# Altium PCB Stabilizer.PCBDOC (part 2 of 8)
Units mil, origin at the board's own origin, x right, y up, seen from the top; angles counter-clockwise.
Board outline 6397 x 3937 mil, 4 copper layers (Top, GP1(GND), L3, Bot), stack 64.883 mil thick; 687 components, 419 nets, 2137 pads, 1042 vias.
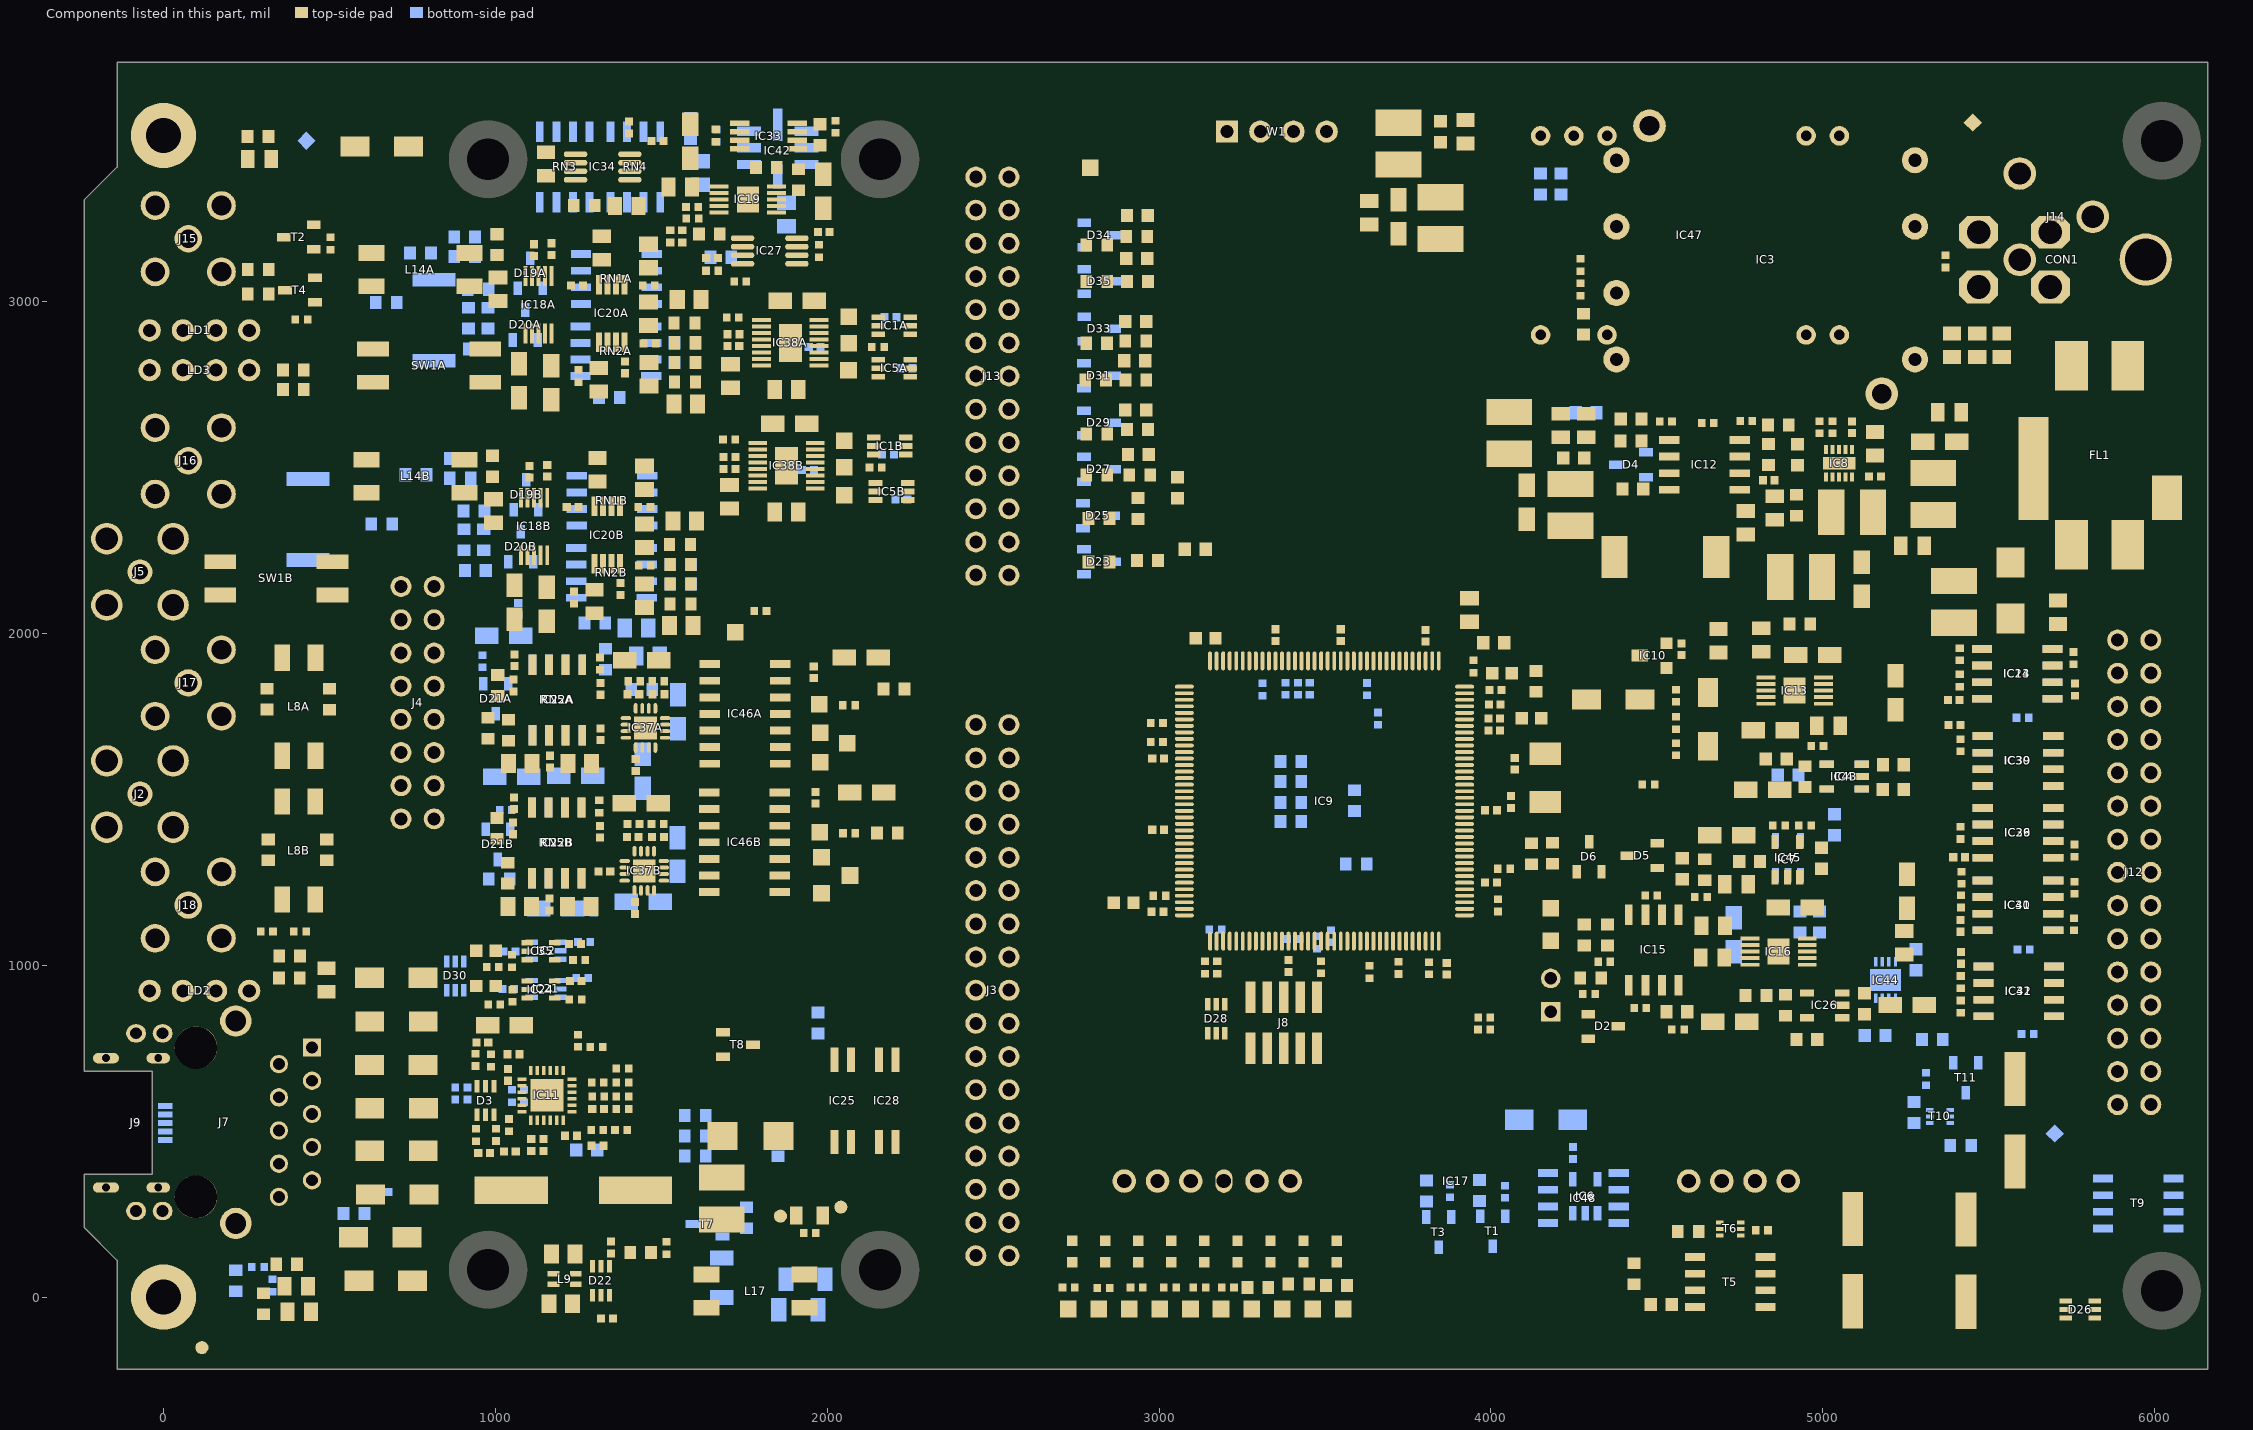
[diagram p4: the components of this part, seen from the top]

## Components (designator, comment, footprint, x,y, rotation, side; value= is the part's Value field where it differs from the comment) (continued)
R201 "51" RESC1005X40N 1049.98,1012.81 r90 top
R202 "10k" RESC1005X40N 311.52,1101.14 r180 top
R203 "10k" RESC1005X40N 1261.85,961.74 r0 bottom
R204 "51k" RESC1005X40N 4558,1729.98 r270 top
R205 "24k" RESC1608X55N 4921,2386 r270 top
R206 "120k" RESC1608X55N 4836,2539 r270 top
R207 "49R9" RESC1005X40N 3947.81,1900.08 r270 top
R208 "8k2" RESC1005X40N 4769.12,2639.2 r180 top
R209 "100" RESC1005X40N 1241.23,897.04 r0 top
R210 "100k" RESC1608X55N 4931.64,1130 r90 bottom
R211 "100k" RESC1608X55N 4989.92,1130 r90 bottom
R212 "100" RESC1005X40N 659.77,317 r180 bottom
R213 "100" RESC1005X40N 285,91.14 r180 bottom
R214 "10k" RESC1005X40N 1267.48,1069.35 r0 bottom
R215 "10k" RESC1005X40N 411.42,1101.38 r0 top
R216 "100" RESC1005X40N 1252.49,1015.87 r0 top
R217A "10k" RESC1005X40N 2065.76,1783.4 r180 top (schematic designator R217)
R217B "10k" RESC1005X40N 2065.96,1397.62 r180 top (schematic designator R217)
R218 "10k" RESC1005X40N 1798.5,2066.76 r0 top
R219 "0" RESC1005X40N 1666.04,3499.14 r90 bottom
R220 "33" RESC1005X40N 897.46,595 r180 bottom
R221 "33" RESC1005X40N 1050.62,605.76 r90 bottom
R222 "33" RESC1005X40N 1086.03,605.76 r90 bottom
R223 "0" RESC1005X40N 4295.58,912.76 r0 top
R224 "10k" RESC1005X40N 4341.39,1010.41 r0 top
R225 "1k" RESC1608X55N 4300.5,961.94 r0 top
R226 "Undefined" RESC1608X55N 4210.39,3353.87 r270 bottom
R227 "12k7" RESC1608X55N 4149.63,3353.87 r270 bottom
RN1A "10k 5K 5K 10K" SOIC127P600X175-8N 1364.61,3067.65 r0 bottom (schematic designator RN1)
RN1B "10k 5K 5K 10K" SOIC127P600X175-8N 1351.44,2399.75 r0 bottom (schematic designator RN1)
RN2A "10k 5K 5K 10K" SOIC127P600X175-8N 1363.14,2849.9 r0 bottom (schematic designator RN2)
RN2B "10k 5K 5K 10K" SOIC127P600X175-8N 1349.98,2181.99 r0 bottom (schematic designator RN2)
RN3 "10k 5K 5K 10K" SOIC127P600X175-8N 1208.89,3405.08 r90 bottom
RN4 "10k 5K 5K 10K" SOIC127P600X175-8N 1421.86,3405.08 r90 bottom
RN5A "10k 5K 5K 10K" SOIC127P600X175-8N 1186.85,1799.13 r270 bottom (schematic designator RN5)
RN5B "10k 5K 5K 10K" SOIC127P600X175-8N 1185.08,1368.51 r270 bottom (schematic designator RN5)
ST2 "SCHROFF_PANEL_3U_4HP-Stabilizer" "SCHROFF_PANEL_3HP_4U - STABILIZER" 0,0 r0 top
SW1A "Switch" SW_CTS_204-121ST 800.2,2806.79 r0 top (schematic designator SW1)
SW1B "Switch" SW_CTS_204-121ST 340.31,2165.65 r0 top (schematic designator SW1)
T1 "BSS138LT1G" SOT95P240X110-3N 4004.84,198 r270 bottom
T2 "BSS138LT1G" SOT95P240X110-3N 407.52,3194.14 r180 top
T3 "BSS138LT1G" SOT95P240X110-3N 3842.47,195.7 r270 bottom
T4 "BSS138LT1G" SOT95P240X110-3N 411.18,3034.35 r180 top
T5 "SI4425DDY-T1-GE3" SOIC127P600X175-8N 4720.94,45.4 r0 top
T6 "BC857BV" SOTFL50P160X60-6N 4720.94,205.27 r0 top
T7 "FDN86246" SOT95P237X112-3N 1639,219.73 r180 bottom
T8 "BSS138LT1G" SOT95P240X110-3N 1731.06,761 r0 top
T9 "SI4425DDY-T1-GE3" SOIC127P600X175-8N 5950.3,282 r0 bottom
T10 "BC857BV" SOTFL50P160X60-6N 5352.9,544.31 r0 bottom
T11 "BSS138LT1G" SOT95P240X110-3N 5430.64,660.72 r270 bottom
TP1A "Test Point" TPS127 2065,2874.17 r0 top (schematic designator TP1)
TP1B "Test Point" TPS127 2051.01,2500.8 r0 top (schematic designator TP1)
TP2A "Test Point" TPS127 2065,2954.45 r0 top (schematic designator TP2)
TP2B "Test Point" TPS127 2051.01,2580.52 r0 top (schematic designator TP2)
TP3A "Test Point" TPS127 2064.03,2793.19 r0 top (schematic designator TP3)
TP3B "Test Point" TPS127 2051.01,2416.15 r0 top (schematic designator TP3)
TP4A "Test Point" TPS127 2060.78,1668.73 r90 top (schematic designator TP4)
TP4B "Test Point" TPS127 2068.71,1270.39 r90 top (schematic designator TP4)
TP5A "Test Point" TPS127 1978.47,1700.16 r90 top (schematic designator TP5)
TP5B "Test Point" TPS127 1982.81,1324.73 r90 top (schematic designator TP5)
TP6 "Test Point" TPS127 4180,1073.89 r180 top
TP7 "Test Point" TPS127 2818.35,-36.02 r0 top
TP8 "Test Point" TPS127 3094.47,-36.02 r0 top
TP9 "Test Point" TPS127 2726.3,-36.02 r0 top
TP10 "Test Point" TPS127 3370.59,-36.02 r90 top
TP11 "Test Point" TPS127 3278.55,-36.02 r90 top
TP12 "Test Point" TPS127 3186.51,-36.02 r90 top
TP13 "Test Point" TPS127 3002.43,-36.02 r90 top
TP14 "Test Point" TPS127 4180,1172 r270 top
TP15 "Test Point" TPS127 3462.63,-36.02 r270 top
TP16 "Test Point" TPS127 2793,3403 r90 top
TP17 "Test Point" TPS127 3554.67,-36.02 r90 top
TP18A "Test Point" TPS127 1978.47,1611.77 r90 top (schematic designator TP18)
TP18B "Test Point" TPS127 1982.71,1216.86 r90 top (schematic designator TP18)
TP19A "Test Point" TPS127 1976.14,1786.54 r90 top (schematic designator TP19)
TP19B "Test Point" TPS127 1977.77,1401.03 r90 top (schematic designator TP19)
TP20 "Test Point" TPS127 1723.28,2003.18 r270 top
TP21 "Test Point" TPS127 2910.39,-36.02 r0 top
W1 "Header 4" SAMTEC_HTSW-104-23-L-S 3204.88,3511.77 r0 top
WASHER2 "custom 3D printed" Keystone_7687 -561.26,-372.67 r0 top
WASHER4 "custom 3D printed" Keystone_7687 -702.99,-372.67 r0 top
WASHER6 "custom 3D printed" Keystone_7687 -277.8,-372.67 r0 top
WASHER8 "custom 3D printed" Keystone_7687 -419.53,-372.67 r0 top

## Footprints (in the part's own frame and the unit in brackets; to place one, negate y for a bottom-side part, rotate by r counter-clockwise, add the part's x,y. Pads: shape width x height; smd on the part's side, far side on the other; paste and mask are expansions set on the pad)
3M_N2516-6002RB [mm] "16 Contacts - Straight .100\" x .100\" Low Profile Four-Wall Header"
  round 1.6 hole 1: 1(-8.89,-1.27) 2(-8.89,1.27) 3(-6.35,-1.27) 4(-6.35,1.27) 5(-3.81,-1.27) 6(-3.81,1.27) 7(-1.27,-1.27) 8(-1.27,1.27) 9(1.27,-1.27) 10(1.27,1.27) 11(3.81,-1.27) 12(3.81,1.27) 13(6.35,-1.27) 14(6.35,1.27) 15(8.89,-1.27) 16(8.89,1.27)
  silkscreen extent -13.82,-4.85 13.82,4.52, body extent -13.82,-4.17 13.82,4.52, height 9.65
3M_N2526-6002RB [mm] "26 Contacts - Straight .100\" x .100\" Low Profile Four-Wall Header"
  round 1.6 hole 1: 1(-15.24,-1.27) 2(-15.24,1.27) 3(-12.7,-1.27) 4(-12.7,1.27) 5(-10.16,-1.27) 6(-10.16,1.27) 7(-7.62,-1.27) 8(-7.62,1.27) 9(-5.08,-1.27) 10(-5.08,1.27) 11(-2.54,-1.27) 12(-2.54,1.27) 13(0,-1.27) 14(0,1.27) 15(2.54,-1.27) 16(2.54,1.27) 17(5.08,-1.27) 18(5.08,1.27) 19(7.62,-1.27) 20(7.62,1.27) 21(10.16,-1.27) 22(10.16,1.27) 23(12.7,-1.27) 24(12.7,1.27) 25(15.24,-1.27) 26(15.24,1.27)
  silkscreen extent -20.17,-4.85 20.17,4.52, body extent -20.17,-4.11 20.17,4.52, height 9.91
3M_N2530-6002RB [mm] "30 Contacts - Straight .100\" x .100\" Low Profile Four-Wall Header"
  round 1.6 hole 1: 1(-17.78,-1.27) 2(-17.78,1.27) 3(-15.24,-1.27) 4(-15.24,1.27) 5(-12.7,-1.27) 6(-12.7,1.27) 7(-10.16,-1.27) 8(-10.16,1.27) 9(-7.62,-1.27) 10(-7.62,1.27) 11(-5.08,-1.27) 12(-5.08,1.27) 13(-2.54,-1.27) 14(-2.54,1.27) 15(0,-1.27) 16(0,1.27) 17(2.54,-1.27) 18(2.54,1.27) 19(5.08,-1.27) 20(5.08,1.27) 21(7.62,-1.27) 22(7.62,1.27) 23(10.16,-1.27) 24(10.16,1.27) 25(12.7,-1.27) 26(12.7,1.27) 27(15.24,-1.27) 28(15.24,1.27) 29(17.78,-1.27) 30(17.78,1.27)
  silkscreen extent -22.71,-4.85 22.71,4.52, body extent -22.71,-4.11 22.71,4.52, height 9.91
3M_N2534-6002RB [mm] "34 Contacts - Straight .100\" x .100\" Low Profile Four-Wall Header"
  round 1.6 hole 1: 1(-20.32,-1.27) 2(-20.32,1.27) 3(-17.78,-1.27) 4(-17.78,1.27) 5(-15.24,-1.27) 6(-15.24,1.27) 7(-12.7,-1.27) 8(-12.7,1.27) 9(-10.16,-1.27) 10(-10.16,1.27) 11(-7.62,-1.27) 12(-7.62,1.27) 13(-5.08,-1.27) 14(-5.08,1.27) 15(-2.54,-1.27) 16(-2.54,1.27) 17(0,-1.27) 18(0,1.27) 19(2.54,-1.27) 20(2.54,1.27) 21(5.08,-1.27) 22(5.08,1.27) 23(7.62,-1.27) 24(7.62,1.27) 25(10.16,-1.27) 26(10.16,1.27) 27(12.7,-1.27) 28(12.7,1.27) 29(15.24,-1.27) 30(15.24,1.27) 31(17.78,-1.27) 32(17.78,1.27) 33(20.32,-1.27) 34(20.32,1.27)
  silkscreen extent -25.25,-4.85 25.25,4.52, body extent -25.25,-4.11 25.25,4.52, height 9.91
476421001 [mm]
  rect 0.45x1.1 smd: 1(-1.3,2.85) 2(-0.65,2.85) 4(0.65,2.85) 5(1.3,2.85)
  rect 0.45x1.11 smd: 3(0,2.85)
  oval 0.8x2 hole 0.6 slot 1.8 at 90 deg: SHIELD(-4.95,-1.685) SHIELD(4.95,-1.685)
  oval 0.8x1.8 hole 0.6 slot 1.5 at 90 deg: SHIELD(-4.95,2.315) SHIELD(4.95,2.315)
  silkscreen extent -4,-4.07 4,4, body extent -5.1,-3.61 5.1,3.19, height 1.83
ABRACON_ARJM11C7-114-BA-EW2 [mm] "LAN Transformer, body 21.84x15.88mm"
  round 1.4 hole 0.9: 1(5.715,6.35) 2(4.445,8.89) 3(3.175,6.35) 4(1.905,8.89) 5(0.635,6.35) 6(-0.635,8.89) 7(-1.905,6.35) 8(-3.175,8.89) 9(-4.445,6.35)
  rect 1.4x1.4 hole 0.9: 10(-5.715,8.89)
  oval 1.4x1.52 hole 0.9: L1(-6.8,-2.55) L2(-6.8,-4.58) L3(6.8,-2.55) L4(6.8,-4.58)
  round 3.25 hole 3.25 unplated: MH1(-5.715,0) MH2(5.715,0)
  round 2.4 hole 1.6: S1(-7.745,3.05) S2(7.745,3.05)
  silkscreen extent -8.04,-10.87 8.04,10.63, body extent -10.33,-10.87 10.33,10.63, height 16.15
ADI-RM-8_N [mm] "SOP, 8-Leads, Body 3x3mm, Pitch 0.65mm, IPC Medium Density"
  oval 1.8x0.45 smd: 1(-2.075,0.975) 2(-2.075,0.325) 3(-2.075,-0.325) 4(-2.075,-0.975) 5(2.075,-0.975) 6(2.075,-0.325) 7(2.075,0.325) 8(2.075,0.975)
  silkscreen extent -2.2,-1.6 0.77,1.87, body extent -1.6,-1.6 1.6,1.6, height 1.1
AMPHENOL_919-383J-51A [mm] "50 Ohm, RF Connector, MCX Right Angle PCB Receptacle Jack"
  round 1.9 hole 1.2: 1(0,0)
  round 2.4 hole 1.7: 2(-2.54,2.54) 2(-2.54,-2.54) 2(2.54,2.54) 2(2.54,-2.54)
  silkscreen extent -3,-3 6.5,3, body extent -3,-3 6.5,3, height 6
C100 [mm] "1mm Diameter SMD Pad"
  round 1 smd paste-1: 1(0,0)
CAPAE830X620N [mm] "Capacitor, Aluminium Electrolytric, 8.3mm L X 8.3mm W X 6.2mm H, IPC Medium Density"
  rect 4.15x1.6 smd: 1(-3.15,0) 2(3.15,0)
  silkscreen extent -4.9,-4.15 4.15,4.15, body extent -4.75,-4.25 4.75,4.25, height 6.2
CAPC1005X55N [mm] "Capacitor, Non-Polarized, Chip; 1.00mm L X 0.50mm W X 0.70mm H, IPC Medium Density"
  rect 0.62x0.62 smd: 1(-0.45,0) 2(0.45,0)
  body extent -0.52,-0.27 0.53,0.28, height 0.55
CAPC1608X87N [mm] "Chip Capacitor, Body 1.6x0.8mm IPC Medium Density"
  rect 0.95x1 smd: 1(-0.8,0) 2(0.8,0)
  body extent -0.87,-0.47 0.88,0.48, height 0.87
CAPC1608X90N [mm] "Chip Capacitor, Body 1.6x0.8mm IPC Medium Density"
  rect 0.95x0.95 smd: 1(-0.75,0) 2(0.75,0)
  body extent -0.85,-0.45 0.85,0.45, height 0.9
CAPC2012X90N [mm] "Chip Capacitor, Body 2.0x1.25mm, IPC Medium Density"
  rect 1.1x1.45 smd: 1(-0.9,0) 2(0.9,0)
  silkscreen extent 0,-0.58 0,0.58, body extent -1.05,-0.67 1.05,0.68, height 0.9
CAPC2012X95N [mm] "Chip Capacitor, Body 2.0x1.25mm, IPC Medium Density"
  rect 1.1x1.45 smd: 1(-0.9,0) 2(0.9,0)
  silkscreen extent 0,-0.58 0,0.58, body extent -1.05,-0.67 1.05,0.68, height 0.95
CAPC2012X135N [mm] "Chip Capacitor, Body 2.0x1.25mm, IPC Medium Density"
  rect 1.05x1.4 smd: 1(-0.9,0) 2(0.9,0)
  silkscreen extent 0,-0.58 0,0.58, body extent -1.05,-0.67 1.05,0.68, height 1.25
CAPC2013X100N [mm] "Capacitor, Non-Polarized, Chip; 2.00mm L X 1.25mm W X 0.9mm H, IPC Medium Density"
  rect 1.15x1.45 smd: 1(-0.9,0) 2(0.9,0)
  silkscreen extent 0,-0.63 0,0.63, body extent -1.1,-0.72 1.1,0.73, height 1
CAPC3216X140N [mm] "Chip Capacitor, Body 3.2x1.6mm, IPC Medium Density"
  rect 1.15x1.8 smd: 1(-1.5,0) 2(1.5,0)
  silkscreen extent -0.5,-0.9 0.5,0.9, body extent -1.7,-0.9 1.7,0.9, height 1.4
CAPMP3216X180N [mm] "Capacitor, Polarized, Molded  Body 3.2x1.6mm, IPC Medium Density"
  rect 1.8x1.25 smd: 1(-1.3,0) 2(1.3,0)
  silkscreen extent -2.4,-0.7 0,1.25, body extent -1.7,-0.9 1.7,0.9, height 1.6
CC6-1212DF-E [mm]
  round 2 hole 1: 1(-2.54,-2.63) 2(-2.54,-12.79) 3(-2.54,-17.87) 4(20.32,-17.87) 5(20.32,-12.79) 6(20.32,-7.71) 7(20.32,-2.63)
  round 2.5 hole 1.5: 8(0,0) 9(17.78,-20.5)
  silkscreen extent -4.06,-20.83 20.44,0.25, body extent -2.72,-20.81 20.44,0.29, height 8.4
DCDC_XPPOWER_JHM0X [mm] "JHM Series , Body 31.75 x 20.32mm"
  round 1.5 hole 0.8: 2(-11.555,-7.62) 3(-9.015,-7.62) 9(6.225,-7.62) 10(8.765,-7.62) 11(11.305,-7.62) 14(11.305,7.62) 16(6.225,7.62) 22(-9.015,7.62) 23(-11.555,7.62)
  silkscreen extent -15.88,-11.01 15.88,10.16, body extent -15.88,-10.16 15.88,10.16, height 10.4
DCK0006A_M [mm] "SOT23, 6-Leads, Body 2.15x1.4mm, Pitch 0.65mm, IPC Low Density"
  rect 1.05x0.45 smd: 1(-1.225,0.65) 2(-1.225,0) 3(-1.225,-0.65) 4(1.225,-0.65) 5(1.225,0) 6(1.225,0.65)
  silkscreen extent -1.35,-1.1 0.3,1.55, body extent -1.14,-1 1.14,1, height 0.94
DELOCK_65848 [mm] "50 Ohm Through Hole SMA Right Angle PCB Jack"
  round 2.1 hole 1.4: 1(0,0)
  round 2.2 hole 1.5: 2(-2.54,2.54) 2(-2.54,-2.54) 2(2.54,2.54) 2(2.54,-2.54)
  silkscreen extent -3,-5.1 19.1,5.1, body extent -3.04,-3.17 18.96,3.09, height 9.15
DIOM5127X229N [mm] "DO-214-AC/SMA Molded Diode, 2-Leads, Body 5.1x2.7mm, IPC Medium Density"
  rect 2.2x1.55 smd: 1(-2.05,0) 2(2.05,0)
  silkscreen extent -3.43,-1.4 2.65,1.45, body extent -2.67,-1.45 2.68,1.45, height 2.29
DIOM5336X265N [mm] "DO-214-AA/SMB Diode, Molded Body; 5.34mm L X 3.625mm W X 2.65mm H, IPC Medium Density"
  rect 2.3x2.15 smd: 1(-2.15,0) 2(2.15,0)
  silkscreen extent -3.92,-1.8 2.65,1.8, body extent -2.7,-1.95 2.7,1.95, height 2.4
FIDUCIAL_TOP_C100-200 [mm] "Round Fiducial Target, Top Layer, 1.0mm, Top Solder 2.0mm, Keepout =2.0mm"
  round 1 smd paste-0.51 mask+0.5: FTG2(0,0)
  Top keep-out circle w0.1: c0,0 r1
FIDUCIAL_TOP_S100-200 [mm] "Square Fiducial Target, Top Layer, 1.0mm, Top Solder 2.0mm, Keepout =2.0mm"
  rect 1x1 smd rot 45 paste-0.51 mask+0.5: 1(0,0)
  Top keep-out region: 1.414,0 0,-1.414 -1.414,0 0,1.414
FIL_MURATA_BNX02 [mm] "Block Type EMIFIL LC Combined Type, BNX02* Series"
  rect 3.8x2.5 smd: 1(-6.85,2.1) 2(6.85,2.1) 3(-6.85,-2.2) 4(6.85,-2.2)
  rect 7.9x2.3 smd: 4(1,-5.1)
  rect 3.4x2.3 smd: 4(3.25,5.1)
  silkscreen extent -5.95,-4.45 7.77,5.05, body extent -6.05,-4.55 6.05,4.55, height 3.1
HARWIN_M50-3600542 [mm] "10 Contacts - Pitch 1.27mm - Dual Row SMT Vertical Pin Header"
  rect 0.74x2.4 smd: 1(-2.54,-1.95) 2(-2.54,1.95) 3(-1.27,-1.95) 4(-1.27,1.95) 5(0,-1.95) 6(0,1.95) 7(1.27,-1.95) 8(1.27,1.95) 9(2.54,-1.95) 10(2.54,1.95)
  silkscreen extent -3.17,-3.9 3.18,0.4, body extent -3.18,-2.81 3.17,2.69, height 4.69
IND_BOURNS_SRU8043 [mm] "SMD Inductor Body Width 8.3mm Body Lenght 8.3mm Height 4.6mm"
  rect 2x3.2 smd: 1(-3.9,0) 2(3.9,0)
  silkscreen extent -3.71,-4 3.71,4, body extent -4,-4 4,4, height 4.3
IND_MURATA-PS_8400 [mm] "Miniature Surface Mount Power Inductors, 4.5mm L X 3.3mm W X 2.9mm H, MURATA 8400 Series"
  rect 2x3.5 smd: 1(-1.6,0) 2(1.6,0)
  silkscreen extent -0.3,-1.8 0.3,1.8, body extent -2.4,-1.8 2.4,1.8, height 2.9
IND_MURATA_DLW21S [mm] "Common Mode Choke Coil, DLW21S Series - Body 2 x 1.2mm"
  rect 0.9x0.4 smd: 1(-0.85,-0.4) 2(0.85,-0.4) 3(0.85,0.4) 4(-0.85,0.4)
  silkscreen extent -1.92,-0.6 0,0.6, body extent -1,-0.6 1,0.6, height 1.4
IND_WURTH_WE-SL2 [mm] "Common Mode SMD Line Filter WE-SL2"
  rect 2x1.2 smd: 1(-3.75,1.27) 2(-3.75,-1.27) 3(3.75,-1.27) 4(3.75,1.27)
  silkscreen extent -4.75,-3.15 4.75,3.15, body extent -4.75,-3.15 4.75,3.15, height 5.3
INDC1005X55N [mm] "Chip Inductor, 2-Leads, EIA 0402, Metric 1005, Body 1x0.5mm, 0402IPC Medium Density"
  rect 0.6x0.62 smd: 1(-0.46,0) 2(0.46,0)
  body extent -0.52,-0.27 0.53,0.28, height 0.55
INDC1608X95N [mm] "Chip Inductor, 2-Leads, EIA 0603, Metric 1608, Body 1.6x0.8mm, IPC Medium Density"
  rect 0.95x1 smd: 1(-0.8,0) 2(0.8,0)
  body extent -0.87,-0.47 0.88,0.48, height 0.95
INDC2012X105N [mm] "Chip Inductor, EIA 0805, Metric 2012, Body 2.0x1.25mm, IPC Medium Density"
  rect 1.15x1.45 smd: 1(-0.9,0) 2(0.9,0)
  silkscreen extent 0,-0.6 0,0.6, body extent -1.1,-0.7 1.1,0.7, height 1.1
jump [mm]
  rect 1.5x1.5 hole 0.965: 1(0,0)
  round 1.5 hole 0.965: 2(0,-2.54)
  silkscreen extent -1.2,-3.81 1.2,1.27, body extent -1.26,-3.84 1.19,1.24, height 8
Keystone_7687 [mil] "Polyphenylene Sulfide PPS Shoulder Washer"
  silkscreen extent -31,-220 31,220
LCCS127P500X500X145-8N [mm] "LCC, 8-Pins, Body 5,00x5,00mmx1,45mm, Pitch 1,27mm, IPC Medium Density"
  rect 1.85x0.7 smd: 1(-2.2,1.27) 2(-2.2,0) 3(-2.2,-1.27) 5(2.2,-1.27) 6(2.2,0) 7(2.2,1.27)
  rect 0.7x1.85 smd: 4(0,-2.2)
  rect 0.7x2.5 smd: 8(0,1.75)
  silkscreen extent -3.8,-2.6 2.6,2.6, body extent -2.63,-2.63 2.63,2.63, height 1.55
LED_DIALIGHT_571-0112F [mm] "2x 2mm LED (Top: Red, Bot: Green) PCB Edge Mounting (Without positioning pins) DIALIGHT 571 Serie"
  round 1.7 hole 1: 1(0,0) 2(2.54,0) 3(5.08,0) 4(7.62,0)
  silkscreen extent -6.55,-1.24 8.89,1.24, body extent -6.55,-1.24 8.89,1.24, height 8.61
LED_DIALIGHT_571-0122F [mm] "2x 2mm LED (Top: Green, Bot: Green) PCB Edge Mounting (Without positioning pins) DIALIGHT 571 Serie"
  round 1.7 hole 1: 1(0,0) 2(2.54,0) 3(5.08,0) 4(7.62,0)
  silkscreen extent -6.55,-1.24 8.89,1.24, body extent -6.55,-1.24 8.89,1.24, height 8.61
LED_KINGBRIGHT_KPH-1608CGCK [mm] "SMT Green LED, Case 0603, Body L 1.6 x W 0.8mm H 0.65mm"
  rect 0.8x0.8 smd: 1(-0.825,0) 2(0.825,0)
  silkscreen extent -1.82,-0.4 0.08,0.4, body extent -0.8,-0.4 0.8,0.4, height 0.65
LT-DD-8_V [mm] "SON, 8-Leads, Body 3x3mm, Pitch 0.5mm, Thermal Pad 1.65x2.38 mm, IPC Low Density"
  rect 0.7x0.25 smd mask+0.102: 1(-1.4,0.75) 2(-1.4,0.25) 3(-1.4,-0.25) 4(-1.4,-0.75) 5(1.4,-0.75) 6(1.4,-0.25) 7(1.4,0.25) 8(1.4,0.75)
  rect 1.65x2.38 smd mask+0.102: 9(0,0)
  silkscreen extent -2,-1.55 1.55,1.6, body extent -1.5,-1.5 1.5,1.5, height 0.8
MRX56904CV [mm]
  oct 2.5x3 hole 1.8: 1(0,0) 2(-4.2,0) 3(0,5.5) 4(-4.2,5.5)
  round 4 hole 3.2: 9(-2.1,-7.3)
  silkscreen extent -6.88,-13.94 3.12,5.99, body extent -6.88,-14.02 3.12,5.92, height 11.4
QFN24_0R5_4X4 [mm] "SQFN 24 Pins, Pitch 0.5mm, 4mmx4mm"
  rect 0.69x0.28 smd: 1(-1.9,1.25) 2(-1.9,0.75) 3(-1.9,0.25) 4(-1.9,-0.25) 5(-1.9,-0.75) 6(-1.9,-1.25) 13(1.9,-1.25) 14(1.9,-0.75) 15(1.9,-0.25) 16(1.9,0.25) 17(1.9,0.75) 18(1.9,1.25)
  rect 0.28x0.69 smd: 7(-1.25,-1.9) 8(-0.75,-1.9) 9(-0.25,-1.9) 10(0.25,-1.9) 11(0.75,-1.9) 12(1.25,-1.9) 19(1.25,1.9) 20(0.75,1.9) 21(0.25,1.9) 22(-0.25,1.9) 23(-0.75,1.9) 24(-1.25,1.9)
  rect 2.5x2.5 smd: 25(0,0)
  silkscreen extent -2.46,-2.05 2.05,2.05, body extent -2.05,-2.05 2.05,2.05, height 1
QFN50P300X300X80-17N-S175 [mm] "QFN, 0.50mm Pitch, Square; 16 Pin, 3.00mm L X 3.00mm W X 0.80mm H Body (w/Thermal Tab 1.75 X 1.75mm),  IPC Medium Density"
  oval 0.8x0.3 smd: 1(-1.5,0.75) 2(-1.5,0.25) 3(-1.5,-0.25) 4(-1.5,-0.75) 9(1.5,-0.75) 10(1.5,-0.25) 11(1.5,0.25) 12(1.5,0.75)
  oval 0.3x0.8 smd: 5(-0.75,-1.5) 6(-0.25,-1.5) 7(0.25,-1.5) 8(0.75,-1.5) 13(0.75,1.5) 14(0.25,1.5) 15(-0.25,1.5) 16(-0.75,1.5)
  rect 1.75x1.75 smd: 17(0,0)
  silkscreen extent -2.62,-1.5 1.5,1.5, body extent -1.57,-1.57 1.58,1.58, height 0.8
RESC1005X40N [mm] "Chip Resistor, EIA 0402, Metric 1005, Body 1.0x0.5mm, IPC Medium Density"
  rect 0.58x0.62 smd: 1(-0.47,0) 2(0.47,0)
  body extent -0.52,-0.27 0.53,0.28, height 0.4
RESC1608X55N [mm] "Chip Resistor, EIA 0603, Metric 1608, Body 1.6x0.8mm, IPC Medium Density"
  rect 0.9x1 smd: 1(-0.8,0) 2(0.8,0)
  body extent -0.87,-0.47 0.88,0.48, height 0.55
RESC1608X64N [mm] "Chip Resistor, EIA 0603, Metric 1608, Body 1.6x0.8mm, IPC Medium Density"
  rect 0.85x1 smd: 1(-0.8,0) 2(0.8,0)
  body extent -0.87,-0.47 0.88,0.48, height 0.64
RESC2012X60N [mm] "Chip Resistor, EIA 0805, Metric 2012, Body 2.0x1.2mm, IPC Medium Density"
  rect 0.95x1.4 smd: 1(-1,0) 2(1,0)
  silkscreen extent 0,-0.55 0,0.55, body extent -1.1,-0.67 1.1,0.68, height 0.6